# Altium PCB PCB_Bluetooth_Device_nRF52820.PcbDoc (part 1 of 2) (continued)
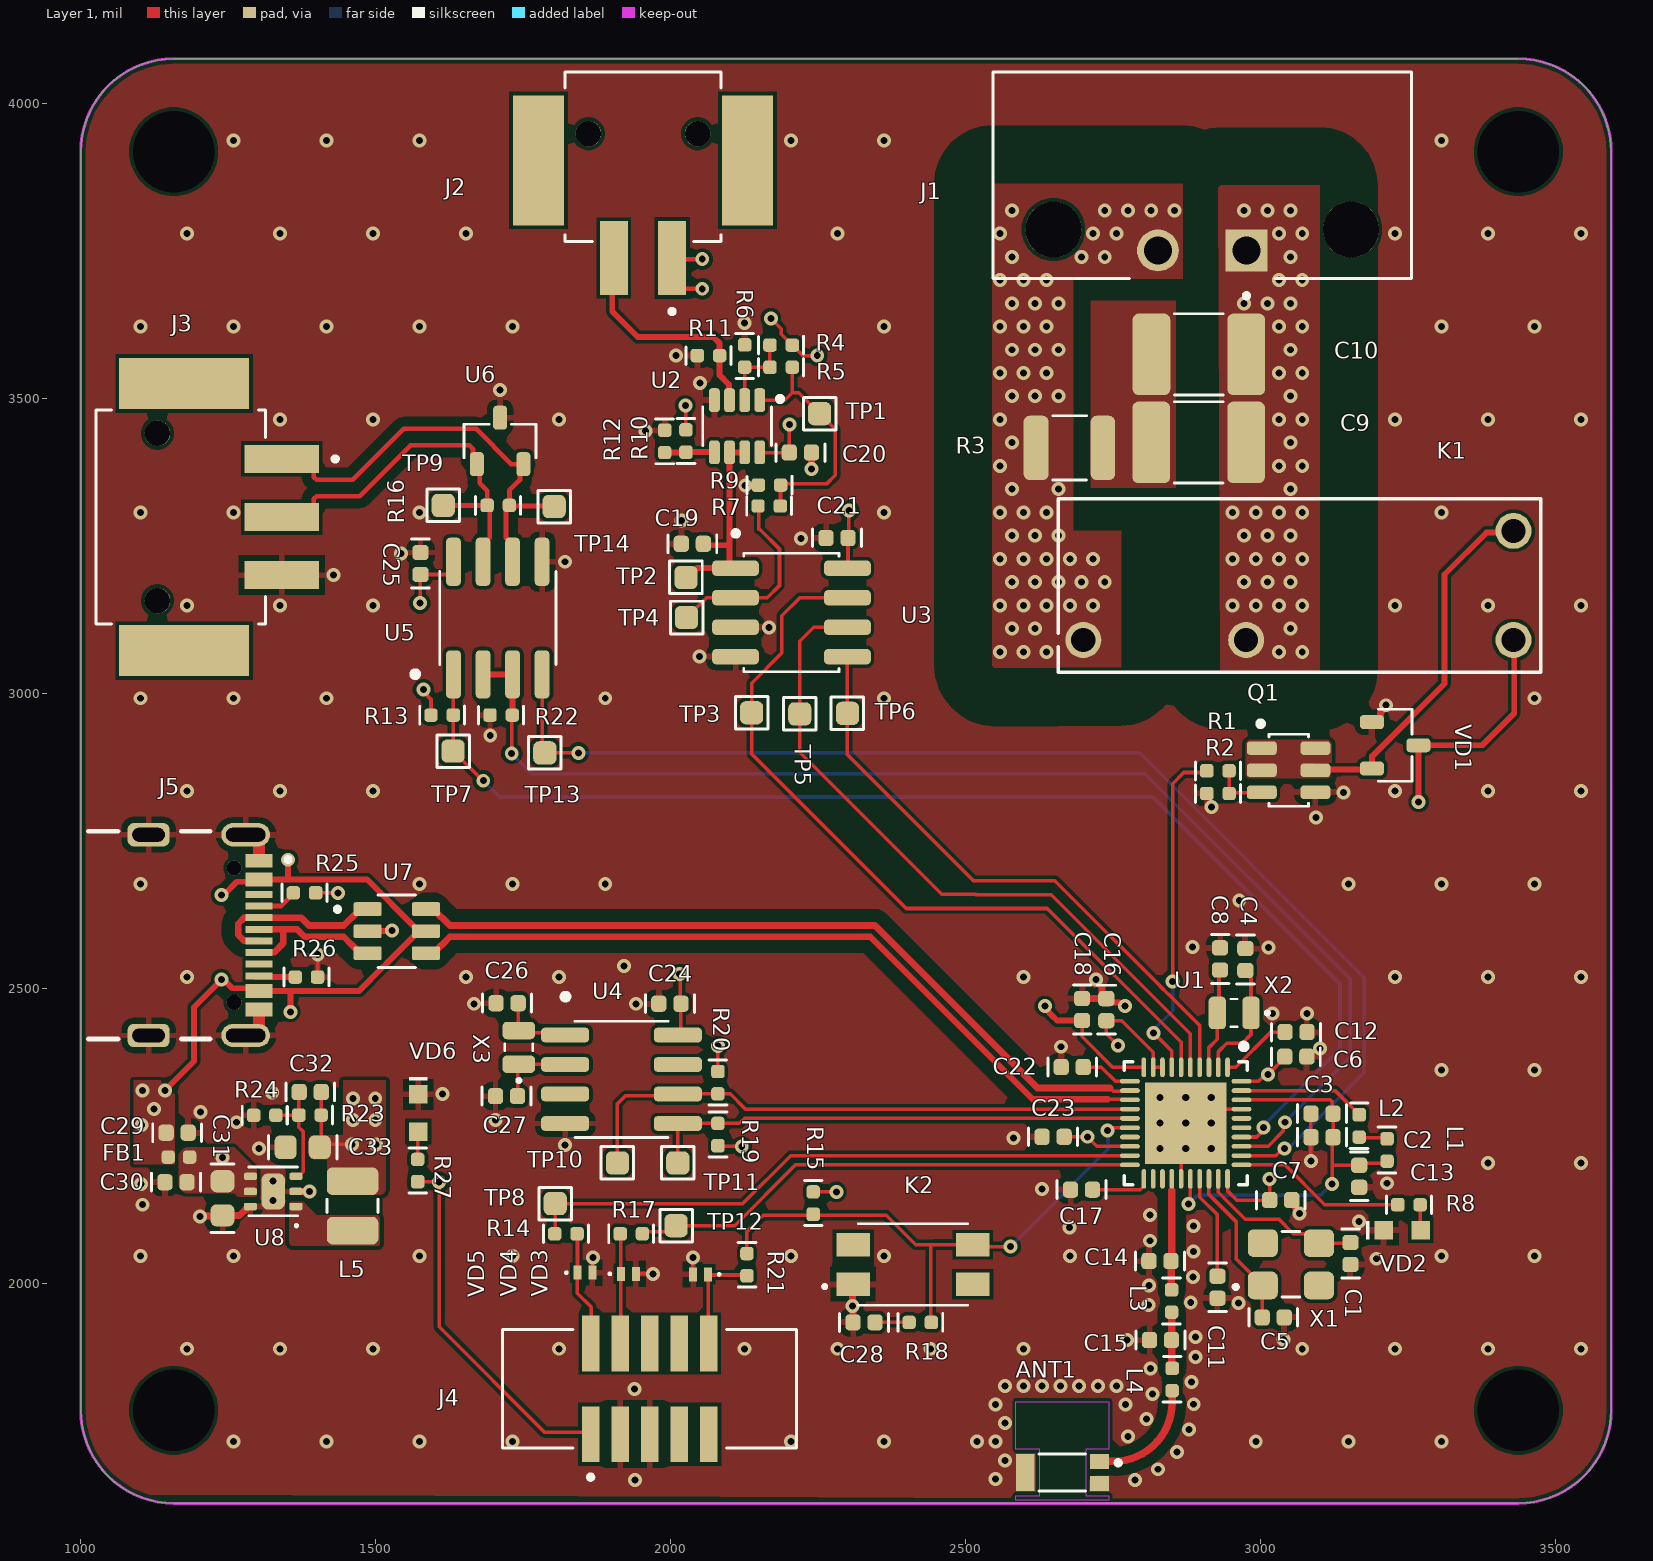
[diagram p0: Layer 1 view]
## Design rules (kind name [scope] priority, off if disabled: settings)
BoardOutlineClearance [All] p1: gap=7.87 ignorepadtopadclearanceinfootprint=FALSE
Clearance RS485_clr [InNetClass('RS485_dp')] p1: gap=6 ignorepadtopadclearanceinfootprint=TRUE except(1.97: Text-Text; 5.98: Arc-Poly Arc-Text Track-Text; 15.91: Track-Poly)
Clearance USB_clr [InNetClass('USB_dp')] p2: gap=6 ignorepadtopadclearanceinfootprint=TRUE except(1.97: Text-Text; 5.98: Arc-Poly Arc-Text Track-Text; 22.44: Track-Poly)
Clearance Clearance_220 [InNetClass('220_Nets') vs InNet('GND')] p3: gap=98.43 ignorepadtopadclearanceinfootprint=TRUE
Clearance [All] p4: gap=6 ignorepadtopadclearanceinfootprint=TRUE except(1.97: Text-Text; 5.98: Arc-Poly Arc-Text Track-Text)
ComponentClearance [All] p1: gap=4 collisioncheckmode=3 verticalgap=4 showdistances=TRUE
DiffPairsRouting DiffPairsRouting_120 [InDifferentialPairClass('120')] p1: maxlimit=19.68 minlimit=10 mostfreqgap=10 toplayer_mingap=19.68 toplayer_prefgap=19.68 toplayer_minwidth=7.96 toplayer_maxwidth=7.96 toplayer_prefwidth=7.96 impedanceprofiledriven=TRUE impedanceprofileid={DC298411-184E-4207-A578-E3CF61C46C90} impedanceprofilevalue=120.000000 maxuncoupledlength=500
DiffPairsRouting DiffPairsRouting_90 [InDifferentialPairClass('USB')] p2: maxlimit=7.87 minlimit=4 mostfreqgap=4 toplayer_mingap=7.87 toplayer_prefgap=7.87 toplayer_minwidth=5.98 toplayer_maxwidth=11.22 toplayer_prefwidth=11.22 impedanceprofiledriven=TRUE impedanceprofileid={C681A591-E36C-44B4-8031-86E3E120EF34} impedanceprofilevalue=90.000000 maxuncoupledlength=500
Height [All] p1: minheight=0 maxheight=71497.94 prefheight=500
HoleSize [All] p1: absolutevalues=TRUE maxlimit=248.03 minlimit=7.87 maxpercent=80.000 minpercent=20.000
HoleToHoleClearance [All] p1: gap=10 allowstackedmicrovias=FALSE
MinimumAnnularRing [All] p1: minimumring=3.94
MinimumSolderMaskSliver [All] p1: minsoldermaskwidth=1.97
PlaneClearance [All] p1: clearance=4
PolygonConnect L3_3v3 [IsNamedPolygon('shild_zone')] p1: connectstyle=Direct reliefconductorwidth=10 reliefentries=4 polygonreliefangle="90 Angle" airgapwidth=10
PolygonConnect Solid_connection [IsNamedPolygon('Solid') or IsNamedPolygon('DC_polygon') or IsNamedPolygon('Layer 3-VBUS') or IsNamedPolygon('RC_220')or IsNamedPolygon('Layer 3-3.3V')or IsNamedPolygon('shild_zone')or IsNamedPolygon('VBUS_L03_P032')] p2: connectstyle=Direct reliefconductorwidth=10 reliefentries=4 polygonreliefangle="90 Angle" airgapwidth=10
PolygonConnect RF_GND [IsNamedPolygon('RF_GND')] p3: connectstyle=Direct reliefconductorwidth=10 reliefentries=4 polygonreliefangle="90 Angle" airgapwidth=10
PolygonConnect 220V [IsNamedPolygon('L1_220_in') or IsNamedPolygon('L1_220_out') or IsNamedPolygon('L2_220_in') or IsNamedPolygon('tgr') or IsNamedPolygon('L3_220_in') or IsNamedPolygon('L3_220_out') or IsNamedPolygon('L4_220_in') or IsNamedPolygon('L4_220_out')] p4: connectstyle=Direct reliefconductorwidth=10 reliefentries=4 polygonreliefangle="90 Angle" airgapwidth=10
PolygonConnect [All] p5: thpad.connectstyle=Relief thpad.reliefconductorwidth=10 thpad.reliefentries=4 thpad.polygonreliefangle="90 Angle" thpad.airgapwidth=10 smdpad.connectstyle=Relief smdpad.reliefconductorwidth=10 smdpad.reliefentries=4 smdpad.polygonreliefangle="90 Angle" smdpad.airgapwidth=10 via.connectstyle=Direct via.reliefconductorwidth=10 via.reliefentries=4 via.polygonreliefangle="90 Angle" via.airgapwidth=10
RoutingVias [All] p1: holewidth=7.87 width=17.72 viastyle="Through Hole" minholewidth=11.81 minwidth=23.62 maxholewidth=248.03 maxwidth=257.87
SilkToSilkClearance [All] p1: silktosilkclearance=3.94
SilkToSolderMaskClearance [IsPad] p1: minsilkscreentomaskgap=3.94 clearancetoexposedcopper=TRUE
SolderMaskExpansion SolderMaskExpansion_Via [IsVia] p1: expansion=4 istentingtop=TRUE
SolderMaskExpansion [All] p2: expansion=2 istentingtop=FALSE
UnRoutedNet [All] p1: checkbadconnections=TRUE
Width 50Ohm [InNetClass('50Ohm')] p1: maxlimit=12.65 minlimit=6.89 preferedwidth=10 toplayer_prefwidth=12.65 impedanceprofiledriven=TRUE impedanceprofileid={25AB4CD6-4C7C-41A0-B548-DF860C0258E3} impedanceprofilevalue=50.000000 minimp=50.000000 maximp=50.000000 favimp=50.000000
Width Width_6mil [All] p2: maxlimit=1000 minlimit=6 preferedwidth=6 minimp=50.000000 maximp=50.000000 favimp=50.000000
20 further rules are at their usual default settings.

## Classes and differential pairs
net class RS485_dp: RS485Output_N RS485Output_P
net class USB_dp: USBin_D_N USBin_D_P USBout_D_N USBout_D_P
net class 220_Nets: NetC9_1 Phase_220ACV_IN Phase_220ACV_OUT
net class 50Ohm: NetANT1_FEED NetC14_2 NetC15_2
differential pair class 120: RS485Output
differential pair class USB: USBin_D USBout_D
differential pair RS485Output: +RS485Output_P -RS485Output_N
differential pair USBout_D: +USBout_D_P -USBout_D_N
differential pair USBin_D: +USBin_D_P -USBin_D_N

## Components (designator, comment, footprint, x,y, rotation, side; value= is the part's Value field where it differs from the comment)
ANT1 "W3008" 3 2664.37,1680.12 r0 top
C1 "12pF" C_CHIP_0402 3152.56,2051.18 r270 top
C2 "1uF" C_CHIP_0402 3104.37,2248.21 r0 top
C3 "47nF" C_CHIP_0402 3104.37,2288.21 r0 top
C4 "12pF" C_CHIP_0402 2974.5,2549.43 r270 top
C5 "12pF" C_CHIP_0402 3021.66,1942.89 r0 top
C6 "1uF" C_CHIP_0402 3060.06,2384.85 r180 top
C7 "100nF" C_CHIP_0402 3034.45,2141.73 r180 top
C8 "12pF" C_CHIP_0402 2931.5,2550.43 r270 top
C9 "0.47uF" C_CHIP_1812 2895.39,3425.72 r0 top
C10 "0.47uF" C_CHIP_1812 2895.67,3574.8 r0 top
C11 "100pF" C_CHIP_0402 2927.17,1994.09 r270 top
C12 "100nF" C_CHIP_0402 3060.24,2426.48 r180 top
C13 "100nF" C_CHIP_0402 3167.32,2182.09 r270 top
C14 "1pF" C_CHIP_0402 2829.72,2038.39 r0 top
C15 "1.2pF" C_CHIP_0402 2830.71,1904.53 r0 top
C16 "4.7uF" C_CHIP_0402 2738.84,2464.44 r270 top
C17 "820pF" C_CHIP_0402 2696.85,2159.45 r0 top
C18 "4.7uF" C_CHIP_0402 2697.84,2464.74 r270 top
C19 "100nF" C_CHIP_0402 2037.4,3253.94 r180 top
C20 "100nF" C_CHIP_0402 2220.47,3408.46 r180 top
C21 "100nF" C_CHIP_0402 2282.48,3263.78 r0 top
C22 "4.7uF" C_CHIP_0402 2681.1,2367.13 r0 top
C23 "100nF" C_CHIP_0402 2648.62,2249.02 r0 top
C24 "100nF" C_CHIP_0402 1999.32,2474.46 r0 top
C25 "100nF" C_CHIP_0402 1576.77,3220.47 r90 top
C26 "12pF" C_CHIP_0402 1723.43,2475.39 r0 top
C27 "12pF" C_CHIP_0402 1722.44,2317.91 r0 top
C28 "1uF" C_CHIP_0402 2328.28,1934.48 r180 top
C29 "100nF" C_CHIP_0402 1164.32,2255.97 r180 top
C30 "100nF" C_CHIP_0402 1162.32,2171.97 r0 top
C31 "4.7uF" C_CHIP_0603 1241.14,2143.7 r90 top
C32 "22pF" C_CHIP_0402 1389.76,2324.8 r0 top
C33 "10uF" C_CHIP_0603 1375.98,2231.3 r0 top
FB1 "120 Ohms @ 100 MHz" FERRITE_BEAD_0402 1167.32,2214.57 r0 top
J1 "1827868" PHOENIX_1827868 2976.38,3750.98 r180 top
J2 "1778764" PHOENIX_1778764 2046.26,3948.82 r180 top
J3 "1778764" PHOENIX_1778777 1130.91,3440.94 r270 top
J4 "3220-10-0300-00" CNC_TECH_ 1964.96,1821.85 r0 top
J5 "USB4105-GF-A-060" USB_TYPEC_FP 1181.1,2595.47 r270 top
K1 "ALDP105W" REKAY 3080.71,3178.15 r90 top
K2 "EVQ-P2602W" BUTTON 2411.28,2032.48 r90 top
L1 "15nH" L_CHIP_0402 3214.57,2227.36 r270 top
L2 "10uH" L_CHIP_0402 3167.37,2268.21 r270 top
L3 "4.7nH" L_CHIP_0402 2849.41,1971.46 r270 top
L4 "2.2nH" L_CHIP_0402 2850.39,1838.58 r270 top
L5 "2.2uH" L_CHIP_1008 1461.61,2131.89 r90 top
Q1 "SI3442BDV-T1-E3" TSOP-6 3047.77,2870.17 r270 top
R1 "1k" R_CHIP_0402 2927.17,2869.09 r0 top
R2 "10k" R_CHIP_0402 2927.17,2830.71 r0 top
R3 "120" R_CHIP_1210 2676.18,3416.34 r0 top
R4 "24.3k" R_CHIP_0402 2187.01,3590.55 r0 top
R5 "1.5k" R_CHIP_0402 2187.01,3553.15 r0 top
R6 "24.3k" R_CHIP_0402 2125.98,3572.83 r270 top
R7 "12k" R_CHIP_0402 2168.31,3317.91 r180 top
R8 "120" R_CHIP_0402 3250.98,2133.86 r0 top
R9 "10k" R_CHIP_0402 2167.32,3353.35 r0 top
R10 "12k" R_CHIP_0402 2026.46,3427.24 r90 top
R11 "17.8k" R_CHIP_0402 2063.98,3572.83 r0 top
R12 "10k" R_CHIP_0402 1990.46,3428.24 r270 top
R13 "10k" R_CHIP_0402 1614.17,2963.58 r180 top
R14 "22" R_CHIP_0402 1823.82,2084.65 r180 top
R15 "10k" R_CHIP_0402 2242.13,2135.83 r90 top
R16 "120" R_CHIP_0402 1707.68,3318.9 r0 top
R17 "22" R_CHIP_0402 1933.07,2084.65 r0 top
R18 "10k" R_CHIP_0402 2424.28,1934.48 r180 top
R19 "10k" R_CHIP_0402 2080.71,2251.97 r90 top
R20 "10k" R_CHIP_0402 2080.71,2341.54 r270 top
R21 "22" R_CHIP_0402 2129.92,2031.5 r90 top
R22 "10k" R_CHIP_0402 1712.6,2963.58 r0 top
R23 "820k" R_CHIP_0402 1388.56,2285.85 r0 top
R24 "180k" R_CHIP_0402 1312.01,2285.43 r0 top
R25 "5.1k" R_CHIP_0402 1380.91,2662.4 r180 top
R26 "5.1k" R_CHIP_0402 1384.17,2519.68 r180 top
R27 "120" R_CHIP_0402 1571.85,2190.94 r90 top
TP1 "test point" TEST_POINT 2252.95,3474.41 r270 top
TP2 "test point" TEST_POINT 2026.57,3196.85 r0 top
TP3 "test point" TEST_POINT 2137.8,2967.52 r0 top
TP4 "test point" TEST_POINT 2027.56,3128.94 r0 top
TP5 "test point" TEST_POINT 2219.49,2965.55 r0 top
TP6 "test point" TEST_POINT 2300.2,2966.54 r0 top
TP7 "test point" TEST_POINT 1631.89,2902.56 r180 top
TP8 "test point" TEST_POINT 1805.12,2135.83 r90 top
TP9 "test point" TEST_POINT 1615.16,3318.9 r180 top
TP10 "test point" TEST_POINT 1910.43,2204.72 r0 top
TP11 "test point" TEST_POINT 2012.8,2204.72 r0 top
TP12 "test point" TEST_POINT 2009.84,2098.43 r90 top
TP13 "test point" TEST_POINT 1787.4,2899.61 r180 top
TP14 "test point" TEST_POINT 1803.15,3316.93 r180 top
U1 "nRF52820-QDAA" QFN40P500X500X50_HS-41N 2873.42,2272.2 r270 top
U2 "TLV9002IDDFR" SOT23-8 2113.14,3453.08 r180 top
U3 "MCP3553" SOP8 2209.25,3137.6 r270 top
U4 "M41T0" 8-SOIC 1917.32,2346.46 r270 top
U5 "ISL3179EFBZ" 8-SOIC 1707.68,3127.95 r0 top
U6 "GSOT03C-E3-08" SOT23-3 1711.61,3428.15 r0 top
U7 "TVS_Diod_USBLC6-2SC6" SOT95P280X145-6N 1536.61,2597.44 r0 top
U8 "TPS62260TDRVRQ1" SON7P65_200X200X80L25X30T160X100N 1327.16,2157.34 r90 top locked
VD1 "BAL74,215" SOT23-3 3228.35,2912.4 r270 top
VD2 "Yellow, 2V, 140°" WL-SMCW_0603_150060XX75003 3240.16,2090.55 r0 top
VD3 "SP3205-01ETG" SP320501ETG 2051.18,2015.75 r180 top
VD4 "SP3205-01ETG" SP320501ETG 1929.13,2016.73 r0 top
VD5 "SP3205-01ETG" SP320501ETG 1855.32,2018.7 r0 top
VD6 "Bright Green, 2V, 60°" WL-SMCW_0603_150060XX75003 1572.83,2289.37 r270 top
X1 "32MHz" OSC_32MHZ 3051.66,2032.89 r0 top
X2 "32.768kHz" OSC_32_768KHZ 2955.53,2458.85 r180 top
X3 "32.768kHz" OSC_32_768KHZ 1743.32,2400.46 r90 top

## Footprints (in the part's own frame and the unit in brackets; to place one, negate y for a bottom-side part, rotate by r counter-clockwise, add the part's x,y. Pads: shape width x height; smd on the part's side, far side on the other; paste and mask are expansions set on the pad)
3 [mm]
  rect 0.8x0.65 smd: FEED(1.6,0.475) G1(1.6,-0.475)
  rect 0.8x1.6 smd: G2(-1.6,0)
  Keep-Out Layer region: 2,1 1,1 1,-1 2,-1 2,-1.2 -2,-1.2 -2,-1 -0.975,-1 -0.975,1 -2,1 -2,3.05 2,3.05
  Keep-Out Layer region: 2,1 1,1 1,-1 2,-1 2,-1.2 -2,-1.2 -2,-1 -0.975,-1 -0.975,1 -2,1 -2,3.05 2,3.05
  silkscreen extent -1,-0.8 2.5,0.8, body extent -1.6,-0.8 1.6,0.8, height 1.15
8-SOIC [mm]
  rrect51% 0.63x2.07 smd: 1(-1.905,-2.425) 2(-0.635,-2.425) 3(0.635,-2.425) 4(1.905,-2.425) 5(1.905,2.425) 6(0.635,2.425) 7(-0.635,2.425) 8(-1.905,2.425)
  silkscreen extent -3.68,-2.54 2.5,2, body extent -2.45,-3 2.45,3, height 1.75
BUTTON [mm] "SWITCH TACTILE SPST-NO 0.02A 15V"
  rect 1x1.45 smd: 1(-0.85,2.575) 2(0.85,2.575) 3(-0.85,-2.575) 4(0.85,-2.575)
  silkscreen extent -1.75,-2.35 1.75,3.85, body extent -1.75,-2.85 1.75,2.65, height 2.55
C_CHIP_0402 [mm]
  rrect52% 0.66x0.7 smd: 1(-0.475,0) 2(0.475,0)
  silkscreen extent -1.05,-0.38 1.05,0.39, body extent -0.5,-0.25 0.5,0.25, height 0.55
C_CHIP_0603 [mm]
  rrect51% 0.95x1.02 smd: 1(-0.708,0) 2(0.762,0)
  silkscreen extent -1.45,-0.5 1.5,0.5, body extent -0.77,-0.4 0.83,0.4, height 1
C_CHIP_1812 [mm]
  rrect31% 1.62x3.51 smd: 1(-2.04,0) 2(2.04,0)
  silkscreen extent -1.05,-1.75 1.05,1.75, body extent -2.25,-1.6 2.25,1.6, height 1
CNC_TECH_ [mm] "CONN HEADER SMD 10POS 1.27MM"
  rect 0.76x2.4 smd: 1(-2.54,-1.95) 2(-2.54,1.95) 3(-1.27,-1.95) 4(-1.27,1.95) 5(0,-1.95) 6(0,1.95) 7(1.27,-1.95) 8(1.27,1.95) 9(2.54,-1.95) 10(2.54,1.95)
  silkscreen extent -6.32,-3.9 6.32,2.55, body extent -6.35,-2.75 6.3,2.75, height 5.6
FERRITE_BEAD_0402 [mm]
  rrect52% 0.58x0.58 smd: 1(-0.46,0) 2(0.46,0)
  body extent -0.5,-0.25 0.5,0.25, height 0.5
L_CHIP_0402 [mm]
  rrect45% 0.58x0.58 smd: 1(-0.46,0)
  rrect52% 0.58x0.58 smd: 2(0.5,0)
  silkscreen extent -0.97,-0.39 1,0.38, body extent -0.5,-0.25 0.5,0.25, height 0.55
L_CHIP_1008 [mm]
  rrect42% 1.19x2.22 smd: 1(-1.065,0) 2(1.065,0)
  silkscreen extent -0.29,-1.1 0.29,1.1, body extent -1.25,-1 1.25,1, height 1.2
OSC_32_768KHZ [mm]
  rrect50% 0.75x1.4 smd: 1(-0.725,0) 2(0.725,0)
  silkscreen extent -1.45,-0.6 0.16,0.6, body extent -1,-0.61 1,0.61, height 0.6
OSC_32MHZ [mm]
  rrect42% 1.29x1.19 smd: 1(-1.21,-0.91) 2(1.21,-0.91) 3(1.21,0.91) 4(-1.21,0.91)
  silkscreen extent -2.45,-1.41 0.39,1.41, body extent -1.6,-1.25 1.6,1.25, height 0.8
PHOENIX_1778764 [mm] "Pluggable Terminal Blocks PTSM 0,5/ 2-HH-2,5 SMD R32"
  rect 1.2x3.2 smd mask+0.05: 1(1.1,5.35) 2(3.6,5.35)
  rect 2.2x5.6 smd mask+0.05: SH1(-2.15,1.15) SH2(6.85,1.15)
  round 1.1 hole 1.1 unplated: ""(0,0) ""(4.7,0)
  silkscreen extent -1,-2.65 5.7,7.75, body extent -3,-2.8 7.6,6.7, height 5
PHOENIX_1778777 [mm] "TERM BLOCK HDR 3POS 90DEG 2.5MM"
  rect 1.2x3.2 smd: 1(1.1,5.35) 2(3.6,5.35) 3(6.1,5.35)
  rect 2.2x5.6 smd: SH1(-2.15,1.15) SH2(9.35,1.15)
  round 1.1 hole 1.1 unplated: ""(0,0) ""(7.2,0)
  silkscreen extent -1,-2.65 8.2,7.75, body extent -3.05,-2.9 10.05,6.6, height 5
PHOENIX_1827868 [mm] "Pluggable Terminal Blocks 2 Pos 3.81mm pitch Through Hole Header"
  rect 1.8x1.8 hole 1.2: 1(0,0)
  round 1.8 hole 1.2: 2(3.81,0)
  round 2.4 hole 2.4 unplated: ""(-4.5,-0.9) ""(8.31,-0.9)
  silkscreen extent -7.1,-7.68 10.91,2.05, body extent -7.09,-8.06 10.92,1.24, height 7.25
QFN40P500X500X50_HS-41N [mm]
  oval 0.85x0.2 smd: 1(-2.4,1.8) 2(-2.4,1.4) 3(-2.4,1) 4(-2.4,0.6) 5(-2.4,0.2) 6(-2.4,-0.2) 7(-2.4,-0.6) 8(-2.4,-1) 9(-2.4,-1.4) 10(-2.4,-1.8) 21(2.4,-1.8) 22(2.4,-1.4) 23(2.4,-1) 24(2.4,-0.6) 25(2.4,-0.2) 26(2.4,0.2) 27(2.4,0.6) 28(2.4,1) 29(2.4,1.4) 30(2.4,1.8)
  oval 0.2x0.85 smd: 11(-1.8,-2.4) 12(-1.4,-2.4) 13(-1,-2.4) 14(-0.6,-2.4) 15(-0.2,-2.4) 16(0.2,-2.4) 17(0.6,-2.4) 18(1,-2.4) 19(1.4,-2.4) 20(1.8,-2.4) 31(1.8,2.4) 32(1.4,2.4) 33(1,2.4) 34(0.6,2.4) 35(0.2,2.4) 36(-0.2,2.4) 37(-0.6,2.4) 38(-1,2.4) 39(-1.4,2.4) 40(-1.8,2.4)
  rect 3.5x3.5 smd: 41(0,0)
  silkscreen extent -3.42,-2.65 2.65,2.65, body extent -2.5,-2.5 2.5,2.5, height 0.5
R_CHIP_0402 [mm]
  rrect45% 0.58x0.58 smd: 1(-0.46,0)
  rrect52% 0.58x0.58 smd: 2(0.5,0)
  silkscreen extent -0.95,-0.39 0.98,0.38, body extent -0.5,-0.25 0.5,0.25, height 0.4
R_CHIP_1210 [mm]
  rrect47% 1.07x2.77 smd: 1(-1.43,0)
  rrect48% 1.05x2.77 smd: 2(1.44,0)
  silkscreen extent -0.71,-1.38 0.73,1.38, body extent -1.55,-1.3 1.55,1.3, height 0.65
REKAY [mil]
  round 61 / inner round 60 / far side round 61 hole 41 paste-99999 mask+0: 1(-87.4,380.91) 2(-87.4,104.91) 3(-87.4,-348.09) 4(97.6,-348.09)
  silkscreen extent -142,-394 152,423, body extent -137,-389 147,418, height 602
SON7P65_200X200X80L25X30T160X100N [mm] "Small Outline No-Lead (SON with Tab), 0.65 mm pitch; 6 pin, 2.00 mm L X 2.00 mm W X 0.80 mm H body"
  rrect50% 0.32x0.56 smd: 1(-0.675,-0.98) 2(-0.025,-0.98) 3(0.625,-0.98) 4(0.625,0.98) 5(-0.025,0.98) 6(-0.675,0.98)
  rrect50% 1.54x1 smd paste-1 mask-1: 7(-0.025,0)
  silkscreen extent -1.55,-1.05 1.02,1.05, body extent -1.03,-1.05 0.97,1.05, height 0.8
SOP8 [mm]
  rrect52% 0.66x2.01 smd: 1(-1.905,-2.51) 2(-0.635,-2.51) 3(0.635,-2.51) 4(1.905,-2.51) 5(1.905,2.31) 6(0.635,2.31) 7(-0.635,2.31) 8(-1.905,2.31)
  silkscreen extent -3.5,-2.6 2.55,1.95, body extent -2.45,-3.1 2.45,2.9, height 1.75
SOT23-3 [mm]
  rrect50% 0.6x1.03 smd: 1(-1,-1) 2(1,-1) 3(0,1)
  silkscreen extent -1.55,-0.72 1.55,0.72, body extent -1.48,-1.24 1.48,1.24, height 1.15
SOT23-8 [mm]
  rrect52% 0.46x1.02 smd: 1(-0.975,-1.125) 2(-0.325,-1.125) 3(0.325,-1.125) 4(0.975,-1.125) 5(0.975,1.125) 6(0.325,1.125) 7(-0.325,1.125) 8(-0.975,1.125)
  silkscreen extent -1.94,-1.27 1.48,0.83, body extent -1.45,-1.4 1.45,1.4, height 1.1
SOT95P280X145-6N [mm]
  rrect25% 1.21x0.59 smd: 1(-1.255,0.95) 2(-1.255,0) 3(-1.255,-0.95) 4(1.255,-0.95) 5(1.255,0) 6(1.255,0.95)
  silkscreen extent -2.65,-1.57 0.81,1.57, body extent -1.4,-1.46 1.4,1.46, height 1.42
SP320501ETG [mm]
  rect 0.35x0.6 smd: 1(-0.325,0) 2(0.325,0)
  silkscreen extent -0.85,-0.05 -0.75,0.05, body extent -0.5,-0.3 0.5,0.3, height 0.48
TEST_POINT [mm]
  rrect50% 1x1 smd paste-0.5: 1(0,0)
  silkscreen extent -0.7,-0.7 0.7,0.7
TSOP-6 [mm] "Small Outline Pkg (SOP), 0.95 mm pitch; 6 pin, 3.025 mm L X 1.625 mm W X 1.10 mm H body"
  rrect51% 0.59x1.29 smd: 1(0.95,-1.155) 2(-0.95,1.155) 2(-0.95,-1.155) 2(0,1.155) 2(0,-1.155) 3(0.95,1.155)
  silkscreen extent -2.1,-1.3 1.55,0.85, body extent -1.51,-1.42 1.51,1.42, height 1.1
USB_TYPEC_FP [mm]
  rect 0.6x1.15 smd: A1_B12(-3.08,3.1) A4_B9(-2.28,3.1) B1_A12(3.32,3.1) B4_A9(2.52,3.1)
  rect 0.3x1.15 smd: A5(-1.13,3.1) A6(-0.13,3.1) A7(0.37,3.1) A8(1.37,3.1) B5(1.87,3.1) B6(0.87,3.1) B7(-0.63,3.1) B8(-1.63,3.1)
  oval 1x2.1 hole 0.6 slot 1.7 at 90 deg: SH1(-4.2,2.525) SH2(4.44,2.525)
  rrect50% 1x1.8 hole 0.6 slot 1.4 at 90 deg: SH3(-4.2,-1.655) SH4(4.44,-1.655)
  round 0.65 hole 0.65 unplated: ""(-2.77,2.025) ""(3.01,2.025)
  silkscreen extent -4.35,-4.26 4.59,4.44, body extent -4.4,-4.18 4.55,3.52, height 3.26
WL-SMCW_0603_150060XX75003 [mm] "SMD Mono-color Chip LED, body 1.6x0.8mm"
  rect 0.8x0.8 smd: 1(-0.8,0) 2(0.8,0)
  silkscreen extent -1.55,-0.4 -1.4,0.4, body extent -0.8,-0.4 0.8,0.4, height 0.7

## Part data
ANT1: "2.4GHz Bluetooth, WLAN, Zigbeeâ„¢ Chip RF Antenna 2.4GHz ~ 2.483GHz 2.2dBi Solder Surface Mount", Package=None, Availability="In Stock", Check_prices=https://www.snapeda.com/parts/W3008/PulseLarsen+Antennas/view-part/?ref=eda, MF="PulseLarsen Antennas", MP=W3008, Price=None, Purchase-URL=https://pricing.snapeda.com/search/part/W3008/?ref=eda, SnapEDA_Link=https://www.snapeda.com/parts/W3008/PulseLarsen+Antennas/view-part/?ref=snap
C1 C4 C5 C8 C26 C27: library part С_Chip_0402_12p, "CAP CER 12PF 200V NP0 0402", Manufacturer="Murata Electronics", MPN=GQM1555C2D120FB01D, Tolerance=±1%, Voltage=200V, Capacitance=12pF, Link=https://www.digikey.com/en/products/detail/murata-electronics/GQM1555C2D120FB01D/5881957
C2 C6 C28: library part С_Chip_0402_1u, "CAP CER 1UF 10V X7R 0402", Manufacturer="Murata Electronics", MPN=GRM155Z71A105KE01J, Tolerance=±10%, Voltage=10V, Capacitance=1uF, Link=https://www.digikey.com/en/products/detail/murata-electronics/GRM155Z71A105KE01J/16033607
C3: library part С_Chip_0402_47n, "CAP CER 0.047UF 50V X7R 0402", Manufacturer="Murata Electronics", MPN=GRM155R71H473KE14D, Tolerance=±10%, Voltage=50V, Capacitance=47nF, Link=https://www.digikey.com/en/products/detail/murata-electronics/GRM155R71H473KE14D/4905190
C7 C12 C13 C19 C20 C21 C23 C24 C25 C29 C30: library part С_Chip_0402_100n, "CAP CER 0.1UF 50V X7R 0402", Manufacturer="Murata Electronics", MPN=GCM155R71H104KE02D, Tolerance=±10%, Voltage=50V, Capacitance=100nF, Link=https://www.digikey.com/en/products/detail/murata-electronics/GCM155R71H104KE02D/4903704
C9 C10: library part С_Chip_1812_0u47, "CAP CER 0.47UF 500V X7R 1812", Manufacturer="Holy Stone Enterprise Co., Ltd.", MPN=C1812X474K501T, Tolerance=±10%, Voltage=500V, Capacitance=0.47uF, Link=digikey.com/en/products/detail/holy-stone-enterprise-co-ltd/C1812X474K501T/16895223
C11: library part С_Chip_0402_100p, "CAP CER 100PF 50V X7R 0402", Manufacturer="Würth Elektronik", MPN=885012205055, Tolerance=±10%, Voltage=50V, Capacitance=100pF, Link=https://www.digikey.com/en/products/detail/w%C3%BCrth-elektronik/885012205055/5453405
C14: library part С_Chip_0402_1p, "CAP CER 1PF 50V C0G/NP0 0402", Manufacturer="Murata Electronics", MPN=GJM1555C1H1R0WB01D, Tolerance=±0.05pF, Voltage=50V, Capacitance=1pF, Link=https://www.digikey.com/en/products/detail/murata-electronics/GJM1555C1H1R0WB01D/2592867
C15: library part С_Chip_0402_1p2, "CAP CER 1.2PF 50V C0G/NP0 0402", Manufacturer="Murata Electronics", MPN=GRM1555C1H1R2BA01D, Tolerance=±0.1pF, Voltage=50V, Capacitance=1.2pF, Link=https://www.digikey.com/en/products/detail/murata-electronics/GRM1555C1H1R2BA01D/3693934
C16 C18 C22: library part С_Chip_0402_4u7, "CAP CER 4.7UF 16V X6T 0402", Manufacturer="Murata Electronics", MPN=GRM155D81C475ME15J, Tolerance=±20%, Voltage=16V, Capacitance=4.7uF, Link=https://www.digikey.com/en/products/detail/murata-electronics/GRM155D81C475ME15J/16821358
C17: library part С_Chip_0402_820p, "CAP CER 820PF 50V X7R 0402", Manufacturer="Murata Electronics", MPN=GRM155R71H821KA01D, Tolerance=±10%, Voltage=50V, Capacitance=820pF, Link=https://www.digikey.com/en/products/detail/murata-electronics/GRM155R71H821KA01D/702515
C31: library part С_Chip_0603_4u7, "CAP CER 4.7UF 16V X7R 0603", Manufacturer="Murata Electronics", MPN=GRM188Z71C475KE21D, Tolerance=±10%, Voltage=16V, Capacitance=4.7uF, Link=digikey.com/en/products/detail/murata-electronics/GRM188Z71C475KE21D/13401930
C32: library part С_Chip_0402_22p, "CAP CER 22PF 16V X7R 0402", Manufacturer=KEMET, MPN=C0402C220K4RAC7867, Tolerance=±10%, Voltage=16V, Capacitance=22pF, Link=https://www.digikey.com/en/products/detail/kemet/C0402C220K4RAC7867/8572389
C33: library part С_Chip_0603_10u, "CAP CER 10UF 10V X7R 0603", Manufacturer="Murata Electronics", MPN=GRM188Z71A106MA73D, Tolerance=±20%, Voltage=10V, Capacitance=10uF, Link=https://www.digikey.com/en/products/detail/murata-electronics/GRM188Z71A106MA73D/14290094
FB1: library part Ferrite_Beads, "FERRITE BEAD 120 OHM 0402 1LN", Manufacturer="Laird-Signal Integrity Products", Max current=400mA, MPN=LI0402D121R-10, Package=0402, Impedance @ Frequency="120 Ohms @ 100 MHz", Link=https://www.digikey.com/en/products/detail/laird-signal-integrity-products/LI0402D121R-10/806601
J1: library part Phoenix_2pin_male, "TERM BLOCK HDR 2POS 90DEG 3.81MM", Manufacturer="Phoenix Contact", Link=https://www.digikey.com/en/products/detail/phoenix-contact/1827868/349156, MPN=1827868
J2: library part Male_2_Position_Terminal_Block_Header, "TERM BLOCK HDR 2POS 90DEG 2.5MM", Manufacturer="Phoenix Contact", Link=https://www.digikey.com/en/products/detail/phoenix-contact/1778764/2625549, MPN=1778764
J3: library part Male_3_Position_Terminal_Block_Header, "TERM BLOCK HDR 3POS 90DEG 2.5MM", Manufacturer="Phoenix Contact", MPN=1778777, Link=https://www.digikey.com/en/products/detail/phoenix-contact/1778777/2625550
J4: "CONN HEADER SMD 10POS 1.27MM", Manufacturer="CNC Tech", Link=https://www.digikey.com/en/products/detail/cnc-tech/3220-10-0300-00/3883266, MPN=3220-10-0300-00
J5: library part USB_TypeC, "CONN RCP USB2.0 TYP C 24P SMD RA", Manufacturer=GCT, Link=https://www.digikey.com/en/products/detail/gct/usb4105-gf-a-060/14559036, MPN=USB4105-GF-A-060
K1: library part Relay, "RELAY GEN PURPOSE SPST 5A 5V", Manufacturer="Panasonic Electric Works", Link=https://www.digikey.com/en/products/detail/panasonic-electric-works/ALDP105W/3641417, MPN=ALDP105W
K2: library part Button, "SWITCH TACTILE SPST-NO 0.02A 15V", Manufacturer="Panasonic Electronic Components", Link=https://www.digikey.com/en/products/detail/panasonic-electronic-components/EVQ-P2602W/593465, MPN=EVQ-P2602W
L1: library part L_Chip_0402_15n, "FIXED IND 15NH 250MA 600MOHM SMD", Manufacturer="Johanson Technology Inc.", MPN=LRC0402CJ15NGV001T, Inductance=15nH, Link=https://www.digikey.com/en/products/detail/johanson-technology-inc/LRC0402CJ15NGV001T/1840068
L2: library part L_Chip_0402_10u, "FIXED IND 10UH 380MA 468MOHM SMD", Manufacturer="Taiyo Yuden", MPN=CBMF1608T100K, Inductance=10uH, Link=https://www.digikey.com/en/products/detail/taiyo-yuden/CBMF1608T100K/1007994
L3: library part L_Chip_0402_4n7, "FIXED IND 4.7NH 700MA 0.16OHM SM", Manufacturer="Murata Electronics", MPN=LQG15HS4N7S02D, Inductance=4.7nH, Link=https://www.digikey.com/en/products/detail/murata-electronics/LQG15HS4N7S02D/662867
L4: library part L_Chip_0402_2n2, "FIXED IND 2.2NH 900MA 150MOHM SM", Manufacturer="TDK Corporation", MPN=MLG1005S2N2BT000, Inductance=2.2nH, Link=https://www.digikey.com/en/products/detail/tdk-corporation/MLG1005S2N2BT000/4742728
L5: library part L_Chip_1008_2u2, "FIXED IND 2.2UH 1A 150 MOHM SMD", Manufacturer="Murata Electronics", MPN=LQM2HPN2R2MJ0L, Inductance=2.2uH, Link=https://www.digikey.com/en/products/detail/murata-electronics/LQM2HPN2R2MJ0L/2594611?s=N4IgTCBcDaIDIEUCyYASAFAcmASmJAUgAxwgC6AvkA
Q1: library part N-chenal_MOSFET, "MOSFET N-CH 20V 3A 6TSOP", Manufacturer="Vishay Siliconix", Link=https://www.digikey.com/en/products/detail/vishay-siliconix/SI3442BDV-T1-E3/1656365, MPN=SI3442BDV-T1-E3
R1: library part R_Chip_0402_1k, "RES 1K OHM 1% 1/8W 0402", Manufacturer=YAGEO, MPN=AC0402FR-7W1KL, Power=1/8W, Tolerance=±1%, Link=https://www.digikey.com/en/products/detail/yageo/AC0402FR-7W1KL/16991527, Resistance=1k
R2 R9 R12 R13 R15 R18 R19 R20 R22: library part R_Chip_0402_10k, "RES 10K OHM 1% 1/8W 0402", Manufacturer="TE Connectivity Passive Product", MPN=CRGP0402F10K, Power=1/8W, Tolerance=±1%, Link=https://www.digikey.com/en/products/detail/te-connectivity-passive-product/CRGP0402F10K/8576969, Resistance=10k
R3: library part R_Chip_1210_120, "RES 120 OHM 1% 1W 1210", Manufacturer=YAGEO, MPN=AC1210FR-7W120RL, Power=1W, Tolerance=±1%, Link=https://www.digikey.com/en/products/detail/yageo/AC1210FR-7W120RL/17007200, Resistance=120
R4 R6: library part R_Chip_0402_24k3, "RES 24.3K OHM 1% 1/8W 0402", Manufacturer=YAGEO, MPN=AC0402FR-7W24K3L, Power=1/8W, Tolerance=±1%, Link=https://www.digikey.com/en/products/detail/yageo/AC0402FR-7W24K3L/16989834?s=N4IgjCBcoExaBjKAzAhgGwM4FMA0IB7KAbXAAYAOAdgE4QBdfABwBcoQBlFgJwEsA7AOYgAvvjAA2eCCSQ0WPIRIgAzDTABWCg2ZtInHgOFiQMShumz5OfEUikYAFgB0KgAQBrAPIALALaYOiCs7ACq-LwsXsgAstiomACu3Nii%2BAC0cNAyUDyJinakFvQipUA, Resistance=24.3k
R5: library part R_Chip_0402_1k5, "RES 1.5K OHM 1% 1/8W 0402", Manufacturer="TE Connectivity Passive Product", MPN=CRGP0402F1K5, Power=1/8W, Tolerance=±1%, Link=https://www.digikey.com/en/products/detail/te-connectivity-passive-product/CRGP0402F1K5/8576959, Resistance=1.5k
R7 R10: library part R_Chip_0402_12k, "RES 12K OHM 1% 1/8W 0402", Manufacturer="TE Connectivity Passive Product", MPN=CRGP0402F12K, Power=1/8W, Tolerance=±1%, Link=https://www.digikey.com/en/products/detail/te-connectivity-passive-product/CRGP0402F12K/8576970, Resistance=12k
R8 R16 R27: library part R_Chip_0402_120, "RES 120 OHM 1% 1/8W 0402", Manufacturer="TE Connectivity Passive Product", MPN=CRGP0402F120R, Power=1/8W, Tolerance=±1%, Link=https://www.digikey.com/en/products/detail/te-connectivity-passive-product/CRGP0402F120R/8576946, Resistance=120
R11: library part R_Chip_0402_17k8, "RES SMD 17.8K OHM 1% 1/10W 0402", Manufacturer="Panasonic Electronic Components", MPN=ERJ-2RKF1782X, Power=1/10W, Tolerance=±1%, Link=https://www.digikey.com/en/products/detail/panasonic-electronic-components/ERJ-2RKF1782X/192173, Resistance=17.8k
R14 R17 R21: library part R_Chip_0402_22, "RES SMD 22 OHM 1% 1/10W 0402", Manufacturer="Panasonic Electronic Components", MPN=ERJ-2RKF22R0X, Power=1/10W, Tolerance=±1%, Link=https://www.digikey.com/en/products/detail/panasonic-electronic-components/ERJ-2RKF22R0X/1746157, Resistance=22
R23: library part R_Chip_0402_820k, "RES 820K OHM 1% 1/4W 0402", Manufacturer="Panasonic Electronic Components", MPN=ERJ-PA2F8203X, Power=1/4W, Tolerance=±1%, Link=https://www.digikey.com/en/products/detail/panasonic-electronic-components/ERJ-PA2F8203X/9815371, Resistance=820k
R24: library part R_Chip_0402_180k, "RES 180K OHM 1% 1/4W 0402", Manufacturer="Panasonic Electronic Components", MPN=ERJ-PA2F1803X, Power=1/4W, Tolerance=±1%, Link=https://www.digikey.com/en/products/detail/panasonic-electronic-components/ERJ-PA2F1803X/9815006, Resistance=180k
R25 R26: library part R_Chip_0402_5k1, "RES 5.1K OHM 1% 1/8W 0402", Manufacturer=YAGEO, MPN=RC0402FR-7W5K1L, Power=1/8W, Tolerance=±1%, Link=https://www.digikey.com/en/products/detail/yageo/RC0402FR-7W5K1L/17018192, Resistance=5.1k
TP1 TP2 TP3 TP4 TP5 TP6 TP7 TP8 TP9 TP10 TP11 TP12 TP13 TP14: library part Test_Point
U1: "Multi-protocol Bluetooth Low Energy, IEEE 802.15.4, ANT and 2.4GHz proprietary system-on-chip", Manufacturer=?, ComponentLink1Description=Link, Footprint Doc=QFN-40, LatestRevisionDate=2019-10-01, MPN=?, Package=?, Part Number=nRF52820-QDAA, Pin Count=40, Published=2019-10-01, Publisher="Nordic Semiconductor", Tolerance=?
U2: library part OP_AMP_TLV9002IDDFR, Manufacturer="Texas Instruments", Link=https://www.digikey.com/en/products/detail/texas-instruments/TLV9002IDDFR/10715502, MPN=TLV9002IDDFR
U3: library part ADC_MCP3553, "IC ADC 22BIT SIGMA-DELTA 8MSOP", MPN=MCP3553T-E/MS, Package=8-MSOP, Link=https://www.digikey.com/en/products/detail/microchip-technology/MCP3553T-E-MS/964284, Monufacturer="Microchip Technology"
U4: library part RTC_M41T0, "IC RTC CLK/CALENDAR I2C 8SOIC", MPN=M41T0M6F, Package=8-SOIC, Link=https://www.digikey.com/en/products/detail/stmicroelectronics/M41T0M6F/868911?s=N4IgTCBcDaILIBYCMAVADHAbAMRAXQF8g, Monufacturer=STMicroelectronics
U5: library part RS485_ISL3179EFBZ, "IC TRANSCEIVER HALF 1/1 8SOIC", Link=https://www.digikey.com/en/products/detail/renesas-electronics-corporation/ISL3179EFBZ/1879490, Monufacturer="Renesas Electronics Corporation", MPN=ISL3179EFBZ, Pacage=8-SOIC
U6: library part TVS_D_GSOT03C-E3-08, "TVS DIODE 3.3VWM 12.3VC SOT23-3", Manufacturer="Vishay General Semiconductor - Diodes Division", Link=https://www.digikey.com/en/products/detail/vishay-general-semiconductor-diodes-division/GSOT03C-E3-08/1680560, MPN=GSOT03C-E3-08
U7: "17V Clamp 5A (8/20Âµs) Ipp Tvs Diode Surface Mount SOT-23-6", Package="SOT-23-6 STMicroelectronics", Availability="In Stock", Check_prices=https://www.snapeda.com/parts/USBLC6-2SC6/STMicroelectronics/view-part/?ref=eda, MF=STMicroelectronics, MP=USBLC6-2SC6, Price=None, Purchase-URL=https://pricing.snapeda.com/search/part/USBLC6-2SC6/?ref=eda, SnapEDA_Link=https://www.snapeda.com/parts/USBLC6-2SC6/STMicroelectronics/view-part/?ref=snap
U8: "IC REG BUCK ADJ 600MA 6WSON", Manufacturer="Texas Instruments", Link=https://www.digikey.com/en/products/detail/texas-instruments/TPS62260TDRVRQ1/3503800?s=N4IgTCBcDaICoAUDKA2MYUAY4BEBKAangIoCMIAugL5A, MPN=TPS62260TDRVRQ1
VD1: library part D_BAL74_215, "DIODE GEN PURP 50V 215MA TO236AB", Manufacturer="Nexperia USA Inc.", Link=https://www.digikey.com/en/products/detail/nexperia-usa-inc/BAL74-215/1127177, MPN=BAL74,215
VD2: library part 150060YS75000, "WL-SMCW Mono-color Chip LED Waterclear, size 0603, Yellow, 2V, 140°", Case/Size Code=0603, Emitting Color=Yellow, Forward Voltage=2V, Manufacturer="Wurth Elektronik", Operating Temperature Max=85°C, Operating Temperature Min=-40°C, Category="Signal LEDs", Chip Technology=AlInGaP, ComponentLink1Description="Website Link", ComponentLink1URL=https://www.we-online.com/redexpert/article/150060YS75000?ad, ComponentLink2Description="Datasheet Link", ComponentLink2URL=https://www.we-online.com/redexpert/spec/150060YS75000?ad, Dominant Wavelength=590nm, Height=0.7mm, Length=1.6mm, Link=https://www.digikey.com/en/products/detail/w%C3%BCrth-elektronik/150060YS75000/4489909, Luminous Intensity=120mcd, Manufacturer Part Number=150060YS75000, Match Code=WL-SMCW, Mount="Surface Mount", Packaging="Tape and Reel", Peak Wavelength=595nm, Viewing Angle=140°, Width=0.8mm
VD3 VD4 VD5: library part TVS_diode_1chenal, "TVS DIODE 3.3VWM 12VC SOD882", Manufacturer="Littelfuse Inc.", Link=https://www.digikey.com/en/products/detail/littelfuse-inc/SP3205-01ETG/12154656, MPN=SP3205-01ETG
VD6: library part 150060VS86000, "WL-SMCW Mono-color Chip LED Waterclear, size 0603, Bright Green, 2V, 60°", Case/Size Code=0603, Emitting Color="Bright Green", Forward Voltage=2V, Manufacturer="Wurth Elektronik", Operating Temperature Max=85°C, Operating Temperature Min=-40°C, Category="Signal LEDs", Chip Technology=AlInGaP, ComponentLink1Description="Website Link", ComponentLink1URL=https://www.we-online.com/redexpert/article/150060VS86000?ad, ComponentLink2Description="Datasheet Link", ComponentLink2URL=https://www.we-online.com/redexpert/spec/150060VS86000?ad, Dominant Wavelength=573nm, Height=0.95mm, Length=1.6mm, Link=https://www.digikey.com/en/products/detail/w%C3%BCrth-elektronik/150060VS75000/4489906, Luminous Intensity=300mcd, Manufacturer Part Number=150060VS86000, Match Code=WL-SMCW, Mount="Surface Mount", Packaging="Tape and Reel", Peak Wavelength=575nm, Viewing Angle=60°, Width=0.8mm
X1: library part X_Crystal_32MHz, Manufacturer="Suntsu Electronics, Inc", MPN=SXT3248AA48-32.000M, Package=?, ComponentLink1Description=Link, Tolerance=?
X2 X3: library part X_Crystal_32_768kHz, Manufacturer="Raltron Electronics", MPN=RT2012-32.768-9-TR, Package=?, ComponentLink1Description=Link, Tolerance=?

## Free pads (board coordinates)
  round 0 hole 137.8 unplated: 2(1158.46,1785.43) 2(1158.46,3918.31) 2(3437.01,1785.43) 2(3437.01,3918.31)

## Via types
v1: diameter 23.62, hole 11.81, Layer 1 to Layer 4, tented both sides, 348 vias
v2: diameter 24, hole 12, Layer 1 to Layer 4, tented both sides, 9 vias

## Nets (pads, with @x,y where several pads share a name; then routed paths per layer and width w, separated by ;. In a path a pad name is that pad's centre, name@x,y a point inside that pad or via, vN(x,y) a via of type N, cw(c..) or ccw(c..) an arc to the next point about the centre after c; other vN are vias at no path point)
3.3V: C6.2 C7.2 C16.2 C20.2 C21.2 C23.2 C24.2 C25.1 C32.2 C33.2 J2.1 J4.1 L5.2 R4.2 R10.2 R13.2 R15.2 R19.1 R20.1 R23.2 R27.1 U1.8 U1.9 U1.18 U1.30 U1.40 U2.8 U3.8 U4.8 U5.8 | length 2189.7
  Layer 1 w6.06: C33.2@1405.98,2231.3 C33.2@1408.24,2233.56 ; C32.2@1408.46,2324.8 1408.35,2324.69 1408.35,2285.96 R23.2@1408.24,2285.85 C33.2@1408.24,2233.56 ; v1(1460.63,2236.22) 1410.91,2236.22 C33.2@1408.24,2233.56 ; R27.1@1571.85,2172.83 1572.15,2172.54 1607.97,2172.54 v1(1608.27,2172.24) 1608.27,1927.17 1787.4,1748.03 1862.01,1748.03 J4.1@1864.96,1745.08 ; v1(1575.79,3153.54) 1576.28,3154.04 1576.28,3201.28 C25.1@1576.77,3201.77 1623.56,3201.77 1632.68,3210.89 U5.8@1632.68,3223.43 ; v1(1581.69,3006.89) 1581.69,3002.92 1594.49,2990.12 R13.2@1594.49,2963.58 ; U4.8@2012.8,2421.46 2018.02,2426.69 C24.2@2018.02,2474.46 2016.89,2475.59 2016.89,2523.47 v1(2015.75,2524.61) ; v1(2025.59,3488.19) 2026.03,3487.75 2026.03,3447.36 R10.2@2026.46,3446.92 ; R19.1@2080.71,2233.86 2081.5,2233.07 2120.28,2233.07 v1(2121.06,2232.28) ; R20.1@2080.71,2359.65 v1(2080.71,2402.56) ; U2.8@2151.53,3408.79 2151.85,3408.46 C20.2@2201.77,3408.46 v1(2201.77,3455.71) ; v1(2170.28,3635.83) 2188.06,3618.05 2188.06,3609.19 R4.2@2206.69,3590.55 2224.41,3572.83 v1(2249.02,3572.83) ; R15.2@2242.13,2155.51 v1(2281.5,2155.51) ; U3.8@2300.2,3212.6 2301.18,3213.58 C21.2@2301.18,3263.78 2302.17,3264.76 2302.17,3309.06 v1(2303.15,3310.04) ; C23.2@2667.32,2249.02 v1(2706.69,2249.02) 2722.88,2232.83 U1.18@2778.94,2232.83 ; v1(2758.86,2403.54) 2738.84,2423.56 C16.2@2738.84,2445.74 2764.89,2445.74 2818.31,2392.32 U1.9@2818.31,2366.69 U1.8@2834.05,2366.69 ; U1.30@2944.29,2177.71 2944.29,2157.09 2959.65,2141.73 C7.2@3015.75,2141.73 v1(3015.75,2177.17) ; U1.40@2967.91,2343.06 2996.78,2343.06 3008.04,2354.33 v1(3012.8,2354.33) 3041.36,2382.9 C6.2@3041.36,2384.85
  Layer 1 w8: v1(2054.13,3686.02) 2023.54,3686.02 2002.95,3706.61 J2.1@2002.95,3738.19 2004.92,3736.22 v1(2054.13,3736.22)
  other v1: 1500.98,2236.22 1462.6,2277.56 1500,2277.56 1462.6,2313.98 1500,2313.98
5V: C18.2 C30.2 C31.2 FB1.2 K1.3 U1.10 U8.4 U8.5 VD1.3 | length 4302.3
  Layer 1 w6: C18.2@2697.84,2446.04 2697.83,2418.31 2749.46,2366.69 U1.10@2802.56,2366.69
  Layer 1 w10: v1(2634.84,2470.47) 2634.84,2466.79 2648.33,2453.3 2648.33,2453.11 2655.4,2446.04 C18.2@2697.84,2446.04 ; v1(3268.21,2816.44) 3268.21,2911.91 VD1.3@3267.72,2912.4 3375.98,2912.4 3430.12,2966.54 3430.12,3089.43 K1.3@3428.8,3090.75
  Layer 3 w10: v1(2634.84,2470.47) 2771.65,2607.28 3268.21,2607.28
  Layer 3 w11.81: v1(1241.14,2213.58) 1241.14,2168.6 1474.7,1935.04 3143.7,1935.04 3268.21,2059.55 3268.21,2607.28 v1(3268.21,2816.44)
ADC_C\S\: TP3.1 U1.6 U3.7 | length 1351.9
  Layer 1 w6: U3.7@2300.2,3162.6 2219.69,3162.6 2188.98,3131.89 2188.98,3068.9 2137.8,3017.72 TP3.1@2137.8,2967.52 2137.8,2897.64 2399.61,2635.83 2638.72,2635.83 2865.55,2408.99 U1.6@2865.55,2366.69
ADC_SCK: TP6.1 U1.4 U3.5 | length 1024.2
  Layer 1 w6: U3.5@2300.2,3062.6 TP6.1@2300.2,2966.54 2300.2,2896.65 2513.78,2683.07 2651.57,2683.07 2830.57,2504.08 2830.57,2503.56 2842.76,2491.37 2843.28,2491.37 2897.05,2437.6 U1.4@2897.05,2366.69
ADC_SDO: TP5.1 U1.5 U3.6 | length 1195.1
  Layer 1 w6: U3.6@2300.2,3112.6 2300.03,3112.43 2243.33,3112.43 2219.49,3088.58 TP5.1@2219.49,2965.55 2219.49,2900.59 2460.04,2660.04 2517.19,2660.04 2517.88,2659.35 2645.76,2659.35 2881.3,2423.82 U1.5@2881.3,2366.69
DEBUG_LED: R8.1 U1.31 | length 292.9
  Layer 1 w6: U1.31@2967.91,2201.33 3041.78,2201.33 3109.25,2133.86 R8.1@3232.87,2133.86